# KiCad board nyx.kicad_pcb (continued)
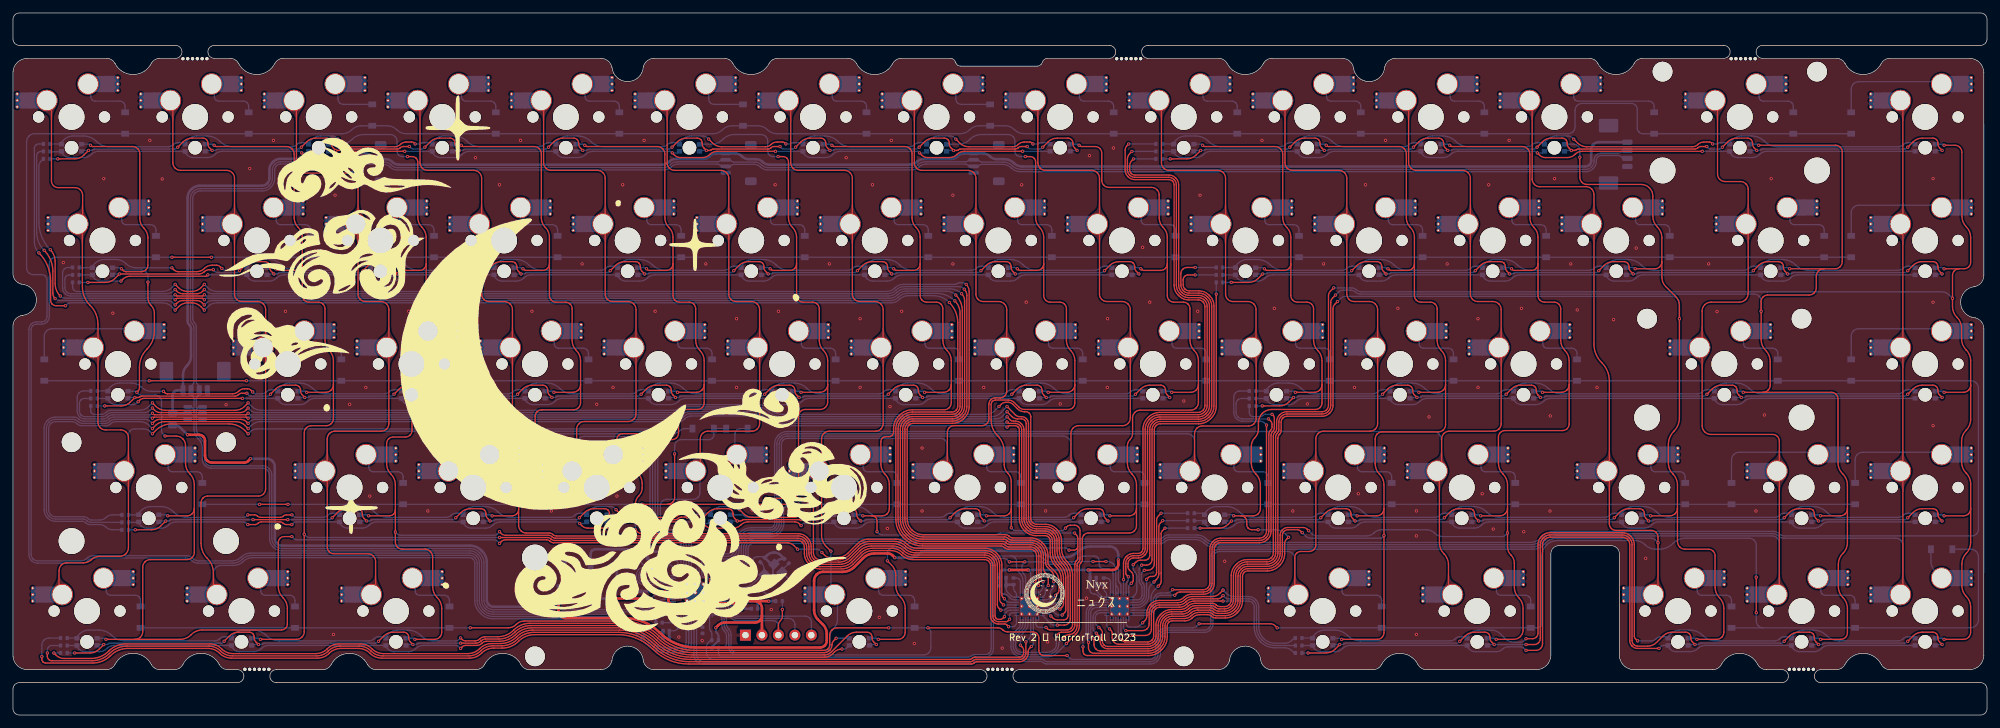
[diagram p0: board, top side]
## Routing (per net, layer and track width the routed paths; a pad name or vN(x,y) marks a point on that pad's centre or on a via; arc(x,y) is an arc through that point) (continued)
Row1: length 441.8
  Top w0.2: v1(30.6,70.6) v1(24.5,70.6)
  Bottom w0.2: v1(30.6,70.6) D17.1 D18.1 D19.1 D20.1 D21.1 D22.1 D23.1 D24.1 D25.1 D26.1 D27.1 D28.1 D29.1 D30.1 ; U3.39 103.78,11.22 arc(103.72,10.88) 103.52,10.58 103.51,10.58 arc(103.22,10.38) 102.88,10.31 101.1,10.31 arc(99.4,10.65) 97.95,11.62 95.32,14.24 arc(93.88,15.21) 92.18,15.55 74.01,15.55 arc(73.26,15.7) 72.63,16.12 72.47,16.28 arc(72.05,16.91) 71.9,17.66 71.9,23.47 arc(71.79,24.03) 71.47,24.5 71.42,24.55 arc(70.95,24.86) 70.4,24.97 36.63,24.97 arc(35.86,24.82) 35.21,24.39 35.19,24.36 arc(34.54,23.92) 33.77,23.77 28.66,23.77 arc(28.14,23.88) 27.7,24.17 27.7,24.18 arc(27.26,24.47) 26.74,24.57 12.36,24.57 arc(11.84,24.47) 11.4,24.18 11.4,24.17 arc(10.96,23.88) 10.44,23.77 3.81,23.77 arc(3.43,23.85) 3.11,24.07 3.09,24.08 arc(2.88,24.4) 2.8,24.79 2.8,59.45 arc(2.86,59.75) 3.03,60.01 3.06,60.04 arc(3.32,60.21) 3.63,60.27 4.42,60.27 arc(4.86,60.36) 5.23,60.61 5.26,60.64 arc(5.51,61.01) 5.6,61.45 5.6,69.54 arc(5.68,69.94) 5.91,70.28 5.92,70.29 arc(6.26,70.52) 6.66,70.6 D16.1 v1(24.5,70.6)
Row2: length 521
  Top w0.2: v1(21,51.55) v1(36,51.55)
  Bottom w0.2: v1(36,51.55) D32.1 D33.1 D34.1 D35.1 D36.1 D37.1 D38.1 D39.1 D40.1 D41.1 D42.1 D43.1 D44.1 301.87,51.55 arc(302.29,51.47) 302.64,51.23 302.68,51.19 arc(302.92,50.84) 303,50.42 303,28.64 arc(302.92,28.25) 302.71,27.93 302.69,27.91 arc(302.37,27.7) 301.99,27.62 273.12,27.62 arc(272.68,27.71) 272.3,27.96 272.28,27.98 arc(271.9,28.23) 271.46,28.32 237.53,28.32 arc(236.63,28.14) 235.87,27.63 235.54,27.31 arc(234.78,26.8) 233.88,26.62 185.31,26.62 arc(184.56,26.77) 183.93,27.19 183.92,27.2 arc(183.29,27.62) 182.54,27.77 178.09,27.77 arc(177.69,27.69) 177.35,27.46 177.34,27.45 arc(177,27.22) 176.6,27.14 114,27.14 arc(113.51,27.04) 113.08,26.76 113.01,26.69 arc(112.73,26.27) 112.63,25.77 112.63,24.02 arc(112.55,23.64) 112.34,23.31 112.29,23.27 arc(111.96,23.05) 111.58,22.97 110.91,22.97 arc(110.49,22.89) 110.14,22.65 110.06,22.57 arc(109.82,22.21) 109.73,21.79 109.73,21.52 arc(109.7,21.36) 109.62,21.23 109.59,21.2 arc(109.46,21.12) 109.3,21.08 U3.16 ; v1(21,51.55) D31.1
Row3: length 295
  Top w0.2: v1(38,32.5) v1(42.4,32.5) ; v1(102,40.27) 102,33.56 arc(101.92,33.16) 101.69,32.81 101.69,32.81 arc(101.34,32.58) 100.94,32.5 ; v1(96.98,32.5) 100.94,32.5 ; 100.94,32.5 v1(121.1,32.5)
  Bottom w0.2: D58.1 D57.1 D56.1 D55.1 D54.1 D53.1 D52.1 D51.1 D50.1 v1(121.1,32.5) 119.84,32.5 arc(119.46,32.42) 119.13,32.21 119.11,32.18 arc(118.89,31.85) 118.81,31.47 118.81,29.49 arc(118.67,28.79) 118.27,28.19 118.12,28.04 arc(117.52,27.63) 116.81,27.49 113.98,27.49 arc(113.37,27.37) 112.85,27.02 112.75,26.92 arc(112.4,26.4) 112.28,25.79 112.28,24.04 arc(112.23,23.77) 112.07,23.55 112.06,23.53 arc(111.83,23.38) 111.56,23.32 109.34,23.32 arc(109.07,23.27) 108.85,23.12 108.83,23.1 arc(108.68,22.87) 108.62,22.6 U3.15 ; D45.1 v1(38,32.5) ; D49.1 D48.1 108.05,43.23 arc(107.99,42.95) 107.83,42.7 107.82,42.69 arc(107.58,42.53) 107.29,42.47 103.01,42.47 arc(102.63,42.4) 102.31,42.18 102.29,42.17 arc(102.08,41.84) 102,41.46 v1(102,40.27) ; v1(96.98,32.5) D47.1 D46.1 v1(42.4,32.5)
Row4: length 383.2
  Top w0.2: v1(141.05,13.45) 151.84,13.45 arc(152.24,13.37) 152.58,13.14 152.59,13.13 arc(152.93,12.9) 153.33,12.82 157.23,12.82 arc(157.57,12.75) 157.86,12.56 157.89,12.54 arc(158.08,12.24) 158.15,11.9 158.15,9.93 arc(158.21,9.65) 158.37,9.4 158.38,9.39 arc(158.62,9.23) 158.91,9.17 v1(162.5,9.17) ; v1(268.75,21.27) v1(268.75,15.77) ; v1(182.85,14.07) 193.87,14.07 arc(194.25,14) 194.57,13.78 v1(194.9,13.45) ; v1(70.5,13.45) 76.33,13.45 arc(77,13.58) 77.56,13.96 77.59,13.99 arc(78.15,14.37) 78.82,14.5 94.08,14.5 arc(97.03,13.91) 99.53,12.24 99.55,12.22 arc(102.05,10.56) 104.99,9.97 125.05,9.97 arc(125.38,10.03) 125.65,10.22 arc(125.84,10.49) 125.9,10.82 125.9,12.3 arc(125.99,12.74) 126.24,13.11 126.24,13.11 arc(126.61,13.36) 127.05,13.45 v1(135,13.45)
  Bottom w0.2: 269.81,13.45 D65.1 ; 269.81,13.45 D66.1 301.78,13.45 arc(302.23,13.54) 302.62,13.8 302.65,13.83 arc(302.91,14.22) 303,14.67 303,24.4 arc(302.91,24.84) 302.66,25.21 302.64,25.24 arc(302.26,25.48) 301.82,25.57 298.98,25.57 ; 269.81,13.45 arc(269.41,13.53) 269.06,13.76 269.06,13.76 arc(268.83,14.11) 268.75,14.51 v1(268.75,15.77) ; U3.28 109.09,16.28 arc(109.28,16.25) 109.45,16.13 arc(109.59,15.93) 109.63,15.69 109.63,13.98 arc(109.73,13.52) 109.99,13.13 110,13.12 arc(110.26,12.73) 110.35,12.27 110.35,10.52 arc(110.44,10.07) 110.7,9.68 110.75,9.62 arc(111.14,9.36) 111.6,9.27 140.39,9.27 arc(140.82,9.36) 141.17,9.6 141.18,9.6 arc(141.42,9.96) 141.5,10.38 141.5,12.79 arc(141.46,12.98) 141.35,13.15 v1(141.05,13.45) D62.1 v1(135,13.45) ; D59.1 D60.1 D61.1 v1(70.5,13.45) ; v1(268.75,21.27) 268.75,26.17 arc(268.67,26.59) 268.43,26.94 268.42,26.95 arc(268.07,27.19) 267.64,27.27 257.9,27.27 arc(256.79,27.05) 255.85,26.42 arc(254.91,25.79) 253.8,25.57 253.25,25.57 arc(252.37,25.75) 251.63,26.25 251.62,26.25 arc(250.88,26.75) 250,26.92 238.13,26.92 arc(237.21,26.74) 236.43,26.22 236.4,26.19 arc(235.88,25.41) 235.7,24.5 235.7,14.16 arc(235.65,13.89) 235.49,13.67 235.48,13.66 arc(235.26,13.5) 234.99,13.45 D64.1 D63.1 211,13.45 v1(194.9,13.45) ; v1(162.5,9.17) 162.88,8.79 arc(163.12,8.63) 163.41,8.57 175.28,8.57 arc(175.62,8.64) 175.91,8.83 175.94,8.86 arc(176.13,9.15) 176.2,9.49 176.2,11.76 arc(176.32,12.38) 176.67,12.9 176.75,12.98 arc(177.27,13.33) 177.89,13.45 181.81,13.45 arc(182.2,13.53) 182.52,13.74 v1(182.85,14.07)
SCL: length 96.4
  Top w0.2: v1(153.6,23.62) v1(156,23.62) ; v1(168.5,23.67) v1(166.5,23.67)
  Bottom w0.2: U3.30 107.38,13.37 arc(107.43,13.14) 107.56,12.94 107.56,12.94 arc(107.69,12.74) 107.74,12.51 R6.2 107.58,11.55 107.19,11.17 arc(106.98,10.84) 106.9,10.46 106.9,9.59 arc(106.98,9.2) 107.19,8.88 107.21,8.86 arc(107.53,8.65) 107.92,8.57 147.44,8.57 arc(147.69,8.62) 147.9,8.76 147.92,8.78 arc(148.13,8.92) 148.38,8.97 149.9,8.97 arc(150.36,9.06) 150.75,9.32 150.8,9.37 arc(151.06,9.76) 151.15,10.22 151.15,23.42 arc(151.21,23.7) 151.37,23.95 151.38,23.95 arc(151.62,24.12) 151.91,24.17 152.74,24.17 arc(153.03,24.12) 153.27,23.95 v1(153.6,23.62) ; U2.27 156.1,21.1 arc(156.03,21.44) 155.84,21.74 155.81,21.76 arc(155.62,22.05) 155.55,22.4 155.55,22.97 arc(155.59,23.16) 155.7,23.32 v1(156,23.62) 158.63,23.62 arc(158.84,23.58) 159.02,23.46 159.04,23.43 arc(159.22,23.31) 159.43,23.27 163.68,23.27 arc(163.92,23.32) 164.13,23.46 164.15,23.48 arc(164.36,23.62) 164.61,23.67 v1(166.5,23.67) ; 170,20.29 U4.27 U4.28 170.4,19.35 arc(170.35,19.6) 170.21,19.81 170.19,19.83 arc(170.05,20.04) 170,20.29 ; 170,20.29 170,22.4 arc(169.9,22.88) 169.63,23.29 169.62,23.31 arc(169.21,23.58) 168.73,23.67 v1(168.5,23.67)
SDA: length 95.7
  Bottom w0.2: U2.26 155.7,20.67 arc(155.57,21.32) 155.2,21.87 155.2,21.87 arc(154.83,22.43) 154.7,23.08 154.7,23.67 arc(154.64,24) 154.45,24.27 154.45,24.27 arc(154.17,24.46) 153.85,24.52 ; 153.85,24.52 151.88,24.52 arc(151.48,24.44) 151.14,24.21 151.11,24.18 arc(150.88,23.84) 150.8,23.44 150.8,10.24 arc(150.73,9.89) 150.54,9.6 150.52,9.58 arc(150.23,9.39) 149.88,9.32 148.23,9.32 arc(147.99,9.27) 147.78,9.13 147.76,9.11 arc(147.55,8.97) 147.3,8.92 109.42,8.92 arc(109.17,8.97) 108.96,9.11 108.95,9.12 arc(108.81,9.33) 108.76,9.58 R7.2 109.35,10.39 arc(109.6,10.44) 109.81,10.58 arc(109.95,10.79) 110,11.04 110,12.12 arc(109.91,12.58) 109.65,12.97 109.64,12.99 arc(109.38,13.37) 109.29,13.83 109.29,14.84 arc(109.24,15.08) 109.11,15.28 arc(108.92,15.4) 108.7,15.45 U3.29 ; 153.85,24.52 157.83,24.52 arc(158.4,24.41) 158.89,24.08 158.91,24.06 arc(159.4,23.74) 159.97,23.62 163.18,23.62 arc(163.75,23.74) 164.24,24.06 164.26,24.08 arc(164.75,24.41) 165.32,24.52 166.69,24.52 arc(166.98,24.47) 167.22,24.3 167.23,24.29 arc(167.39,24.05) 167.45,23.76 167.45,23.24 arc(167.5,22.99) 167.64,22.78 167.66,22.76 arc(167.87,22.62) 168.12,22.57 168.77,22.57 arc(169.08,22.51) 169.34,22.34 169.37,22.31 arc(169.54,22.05) 169.6,21.75 U4.26
SW1_1: length 283.6
  Top w0.2: v1(20.8,66.77) 20.8,64.38 arc(20.93,63.73) 21.3,63.17 21.3,63.17 arc(21.67,62.62) 21.8,61.97 21.8,59.19 arc(21.5,57.7) 20.66,56.43 20.64,56.41 arc(19.79,55.15) 19.5,53.65 19.5,50.47 arc(19.44,50.2) 19.29,49.97 v1(19.09,49.77) ; v1(23.45,43.02) 25.17,43.02 arc(25.71,42.92) 26.16,42.61 26.19,42.58 arc(26.49,42.13) 26.6,41.59 26.6,38.83 arc(26.78,37.94) 27.27,37.2 27.28,37.2 arc(27.77,36.45) 27.95,35.57 27.95,31.83 ; 18.82,11.67 25.74,11.67 arc(26.67,11.86) 27.47,12.39 27.48,12.4 arc(28.28,12.94) 29.22,13.12 41.38,13.12 arc(41.72,13.19) 42.01,13.39 42.04,13.41 arc(42.23,13.7) 42.3,14.05 42.3,16.45 arc(42.12,17.35) 41.61,18.11 41.59,18.13 arc(41.08,18.9) 40.9,19.8 40.9,26.6 arc(40.97,26.94) 41.16,27.24 41.19,27.26 arc(41.48,27.45) 41.82,27.52 v1(43,27.52) ; 18.82,11.67 v1(14.33,11.67) ; 18.82,11.67 arc(19.26,11.76) 19.64,12.01 19.66,12.04 arc(19.91,12.41) 20,12.85 20,22.8 arc(20.09,23.24) 20.34,23.61 20.36,23.64 arc(20.74,23.88) 21.18,23.97 26.84,23.97 arc(27.27,24.06) 27.62,24.29 27.63,24.3 arc(27.87,24.66) 27.95,25.08 27.95,31.83 ; v1(75,26.47) 75.26,26.73 arc(75.58,26.95) 75.97,27.02 82.26,27.02 arc(82.54,26.97) 82.79,26.8 82.8,26.79 arc(83.04,26.63) 83.33,26.57 119.33,26.57 arc(119.9,26.46) 120.39,26.13 v1(120.95,25.57) ; 27.95,31.83 arc(27.87,31.41) 27.63,31.05 27.62,31.04 arc(27.27,30.81) 26.84,30.72 v1(23.86,30.72) ; v1(16.71,68.82) 16.96,68.58 arc(17.19,68.43) 17.45,68.37 19.79,68.37 arc(20.17,68.45) 20.49,68.66 20.51,68.68 arc(20.72,69) 20.8,69.39 20.8,73.6 arc(20.64,74.41) 20.18,75.09 20.17,75.11 arc(19.71,75.79) 19.55,76.59 19.55,86.57 arc(19.47,86.99) 19.23,87.34 19.22,87.35 arc(18.87,87.59) 18.44,87.67 12.29,87.67 arc(12.16,87.7) 12.05,87.77 v1(11.95,87.87) ; v1(152.85,17.92) 152.6,18.18 arc(152.49,18.34) 152.45,18.53 152.45,23.15 arc(152.27,24.07) 151.75,24.85 151.58,25.02 arc(150.8,25.54) 149.88,25.72 139.41,25.72 arc(138.51,25.9) 137.75,26.41 137.72,26.43 arc(136.96,26.94) 136.06,27.12 131.91,27.12 arc(130.96,26.93) 130.15,26.39 128.77,25.02 arc(127.96,24.47) 127,24.28 126.01,24.28 arc(125.53,24.38) 125.12,24.65 v1(124.7,25.07)
  Bottom w0.2: v1(152.85,17.92) 153.18,17.59 arc(153.42,17.43) 153.71,17.37 U2.22 ; LED1.1 11.68,88.04 arc(11.78,88.02) 11.86,87.96 v1(11.95,87.87) ; v1(23.45,43.02) 23.12,43.35 arc(22.96,43.6) 22.9,43.88 22.9,48.36 arc(22.82,48.74) 22.61,49.07 22.59,49.08 arc(22.27,49.3) 21.89,49.37 19.7,49.37 arc(19.51,49.41) 19.35,49.52 v1(19.09,49.77) 19,49.86 arc(18.92,49.92) 18.83,49.94 LED31.1 ; v1(43,27.52) 43.28,27.24 arc(43.52,27.08) 43.81,27.02 74.14,27.02 arc(74.42,26.97) 74.67,26.8 v1(75,26.47) ; LED45.1 23.59,30.89 arc(23.68,30.87) 23.76,30.81 v1(23.86,30.72) ; v1(120.95,25.57) 123.99,25.57 arc(124.18,25.53) 124.35,25.43 v1(124.7,25.07) ; v1(14.33,11.67) 14.24,11.76 arc(14.16,11.82) 14.06,11.84 LED59.1 ; v1(20.8,66.77) 20.8,67.61 arc(20.72,67.99) 20.51,68.32 20.49,68.33 arc(20.17,68.55) 19.79,68.62 17.06,68.62 arc(16.92,68.65) 16.81,68.73 v1(16.71,68.82) 16.62,68.91 arc(16.54,68.97) 16.44,68.99 LED16.1
SW1_2: length 165
  Top w0.2: v1(196.65,27.42) 196.34,27.11 arc(196.12,26.79) 196.05,26.4 196.05,24.88 arc(195.86,23.93) 195.31,23.11 195.16,22.96 arc(194.35,22.42) 193.39,22.22 190.37,22.22 arc(190.07,22.16) 189.81,21.99 189.78,21.97 arc(189.61,21.71) 189.55,21.4 189.55,17.62 arc(189.36,16.66) 188.82,15.85 188.67,15.71 arc(187.86,15.17) 186.91,14.97 185.38,14.97 arc(185.05,15.04) 184.78,15.22 184.77,15.23 arc(184.5,15.41) 184.17,15.48 182.97,15.48 arc(182.35,15.36) 181.84,15.01 181.82,15 arc(181.3,14.65) 180.69,14.53 178.71,14.53 arc(178.43,14.47) 178.18,14.31 178.17,14.29 arc(178,14.04) 177.95,13.76 177.95,12.06 arc(177.74,11.03) 177.15,10.16 176.96,9.97 arc(176.09,9.38) 175.06,9.17 165.62,9.17 arc(165.37,9.22) 165.16,9.37 165.14,9.38 arc(165,9.59) 164.95,9.84 v1(164.95,10.52) ; 189.32,30.72 v1(188.16,30.72) ; 189.32,30.72 191.19,30.72 arc(191.62,30.81) 191.97,31.04 191.98,31.05 arc(192.22,31.41) 192.3,31.83 192.3,35.5 arc(192.12,36.4) 191.61,37.16 191.59,37.18 arc(191.08,37.95) 190.9,38.85 190.9,41.46 arc(191.04,42.16) 191.44,42.76 191.46,42.78 arc(191.86,43.38) 192,44.09 192,45.09 arc(192.15,45.86) 192.59,46.51 192.61,46.54 arc(193.26,46.97) 194.03,47.12 200.79,47.12 arc(201.17,47.2) 201.49,47.42 201.51,47.43 arc(201.72,47.75) 201.8,48.14 201.8,50.95 ; 189.32,30.72 arc(189.65,30.66) 189.92,30.47 189.95,30.45 arc(190.14,30.17) 190.2,29.85 190.2,29.38 arc(190.26,29.07) 190.43,28.81 190.44,28.81 arc(190.7,28.63) 191.01,28.57 v1(191.95,28.57) ; v1(192.93,68.82) 193.07,68.67 arc(193.19,68.6) 193.32,68.57 195.99,68.57 arc(196.37,68.65) 196.69,68.87 196.71,68.88 arc(196.92,69.2) 197,69.59 ; v1(197.69,49.77) 200.62,49.77 arc(201.06,49.86) 201.44,50.11 201.46,50.14 arc(201.71,50.51) 201.8,50.95 ; 197,69.59 197,64.69 arc(197.08,64.3) 197.29,63.98 197.31,63.97 arc(197.63,63.75) 198.01,63.67 199.49,63.67 arc(199.87,63.6) 200.19,63.38 200.21,63.37 arc(200.42,63.04) 200.5,62.66 200.5,57.78 arc(200.67,56.94) 201.14,56.23 201.16,56.22 arc(201.63,55.5) 201.8,54.66 201.8,50.95 ; 197,69.59 197,73.7 arc(196.84,74.51) 196.38,75.19 196.37,75.21 arc(195.91,75.89) 195.75,76.69 195.75,86.5 arc(195.66,86.94) 195.41,87.31 195.39,87.34 arc(195.01,87.58) 194.57,87.67 183.74,87.67 arc(183.61,87.7) 183.5,87.77 v1(183.4,87.87)
  Bottom w0.2: v1(183.4,87.87) 183.31,87.96 arc(183.23,88.02) 183.13,88.04 LED10.1 ; v1(191.95,28.57) 194.67,28.57 arc(195.44,28.42) 196.09,27.99 v1(196.65,27.42) ; LED25.1 192.66,68.99 arc(192.75,68.97) 192.83,68.91 v1(192.93,68.82) ; LED53.1 187.89,30.89 arc(187.99,30.87) 188.07,30.81 v1(188.16,30.72) ; v1(197.69,49.77) 197.6,49.86 arc(197.51,49.92) 197.42,49.94 LED40.1 ; U4.22 167.06,17.37 arc(166.51,17.26) 166.04,16.95 165.88,16.79 arc(165.56,16.32) 165.45,15.76 165.45,12.72 arc(165.39,12.4) 165.2,12.12 165.2,12.12 arc(165.01,11.85) 164.95,11.52 v1(164.95,10.52)
SW2_1: length 152.3
  Top w0.2: 119.99,33.42 v1(116.05,33.42) ; 119.99,33.42 122.39,33.42 arc(122.77,33.35) 123.09,33.13 123.11,33.12 arc(123.32,32.79) 123.4,32.41 123.4,26.91 123.4,25.01 arc(123.48,24.61) 123.71,24.27 123.73,24.24 arc(124.07,24.01) 124.47,23.93 127.15,23.93 arc(128.11,24.12) 128.92,24.67 130.29,26.04 arc(131.1,26.58) 132.06,26.77 135.92,26.77 arc(136.82,26.59) 137.58,26.08 137.6,26.06 arc(138.37,25.55) 139.27,25.37 149.86,25.37 arc(150.66,25.21) 151.34,24.76 151.48,24.61 arc(151.94,23.93) 152.1,23.13 152.1,17.88 arc(152.16,17.6) 152.32,17.35 v1(152.7,16.97) ; 119.99,33.42 arc(120.42,33.51) 120.77,33.74 120.78,33.75 arc(121.02,34.11) 121.1,34.53 121.1,46.11 arc(121.18,46.49) 121.39,46.82 121.41,46.83 arc(121.73,47.05) 122.11,47.12 124.42,47.12 arc(124.86,47.21) 125.24,47.46 125.26,47.49 arc(125.51,47.86) 125.6,48.3 125.6,50.95 ; 120.8,69.59 120.8,64.69 arc(120.88,64.3) 121.09,63.98 121.11,63.97 arc(121.43,63.75) 121.81,63.67 123.29,63.67 arc(123.67,63.6) 123.99,63.38 124.01,63.37 arc(124.22,63.04) 124.3,62.66 124.3,57.78 arc(124.47,56.94) 124.94,56.23 124.96,56.22 arc(125.43,55.5) 125.6,54.66 125.6,50.95 ; 120.8,69.59 120.8,73.7 arc(120.64,74.51) 120.18,75.19 120.17,75.21 arc(119.71,75.89) 119.55,76.69 119.55,85.29 arc(119.49,85.6) 119.32,85.86 119.28,85.89 arc(119.02,86.06) 118.72,86.12 v1(117.95,86.12) ; 120.8,69.59 arc(120.72,69.2) 120.51,68.88 120.49,68.87 arc(120.17,68.65) 119.79,68.57 117.12,68.57 arc(116.99,68.6) 116.87,68.67 v1(116.73,68.82) ; v1(121.49,49.77) 124.42,49.77 arc(124.86,49.86) 125.24,50.11 125.26,50.14 arc(125.51,50.51) 125.6,50.95
  Bottom w0.2: v1(116.05,33.42) 115.77,33.14 arc(115.61,32.9) 115.55,32.61 115.55,31.37 arc(115.49,31.05) 115.3,30.77 115.3,30.77 arc(115.02,30.59) 114.7,30.52 113.2,30.52 arc(112.97,30.57) 112.77,30.7 112.76,30.71 arc(112.57,30.84) 112.34,30.89 LED49.1 ; LED6.1 107.65,88.04 arc(108.61,88.23) 109.42,88.77 109.44,88.79 arc(110.25,89.33) 111.21,89.52 115.34,89.52 arc(115.72,89.45) 116.04,89.23 116.06,89.22 arc(116.27,88.89) 116.35,88.51 116.35,86.97 arc(116.41,86.65) 116.6,86.37 116.6,86.37 arc(116.88,86.19) 117.2,86.12 v1(117.95,86.12) ; U2.21 v1(152.7,16.97) ; v1(121.49,49.77) 121.4,49.86 arc(121.31,49.92) 121.22,49.94 LED36.1 ; LED21.1 116.46,68.99 arc(116.55,68.97) 116.63,68.91 v1(116.73,68.82)
SW2_2: length 199
  Top w0.2: 211.35,31.83 v1(211.35,27.67) 211.35,12.69 arc(211.27,12.3) 211.06,11.98 211.04,11.97 arc(210.72,11.75) 210.34,11.67 v1(204.83,11.67) ; 211.35,31.83 211.35,35.52 arc(211.17,36.4) 210.68,37.15 210.67,37.15 arc(210.18,37.89) 210,38.78 210,42.57 arc(210.08,42.99) 210.32,43.34 210.33,43.35 arc(210.68,43.59) 211.11,43.67 219.74,43.67 arc(220.17,43.76) 220.52,43.99 220.53,44 arc(220.77,44.36) 220.85,44.78 220.85,50.95 ; 211.35,31.83 arc(211.27,31.41) 211.03,31.05 211.02,31.04 arc(210.67,30.81) 210.24,30.72 v1(207.21,30.72) ; 220.85,50.95 220.85,54.66 arc(220.68,55.5) 220.21,56.22 220.19,56.23 arc(219.72,56.94) 219.55,57.78 219.55,62.66 arc(219.47,63.04) 219.26,63.37 219.24,63.38 arc(218.92,63.6) 218.54,63.67 217.06,63.67 arc(216.68,63.75) 216.36,63.97 216.34,63.98 arc(216.13,64.3) 216.05,64.69 216.05,69.59 ; 220.85,50.95 arc(220.76,50.51) 220.51,50.14 220.49,50.11 arc(220.11,49.86) 219.67,49.77 v1(216.74,49.77) ; v1(211.98,68.82) 212.12,68.67 arc(212.24,68.6) 212.37,68.57 215.04,68.57 arc(215.42,68.65) 215.74,68.87 215.76,68.88 arc(215.97,69.2) 216.05,69.59 ; 216.05,69.59 216.05,73.7 arc(215.89,74.51) 215.43,75.19 215.42,75.21 arc(214.96,75.89) 214.8,76.69 214.8,86.57 arc(214.72,86.99) 214.48,87.34 214.47,87.35 arc(214.12,87.59) 213.69,87.67 202.79,87.67 arc(202.66,87.7) 202.55,87.77 v1(202.45,87.87) ; v1(165.8,11.22) 165.8,10.37 arc(165.86,10.05) 166.05,9.77 166.05,9.77 arc(166.32,9.59) 166.65,9.52 175.03,9.52 arc(175.95,9.71) 176.73,10.23 176.89,10.39 arc(177.41,11.17) 177.6,12.09 177.6,13.78 arc(177.68,14.18) 177.9,14.52 177.95,14.57 arc(178.29,14.8) 178.69,14.88 180.55,14.88 arc(181.16,15) 181.68,15.34 181.69,15.36 arc(182.21,15.71) 182.82,15.83 184.32,15.83 arc(184.64,15.76) 184.92,15.58 184.92,15.57 arc(185.2,15.39) 185.52,15.32 186.88,15.32 arc(187.73,15.49) 188.44,15.97 188.56,16.08 arc(189.03,16.8) 189.2,17.64 189.2,21.42 arc(189.28,21.84) 189.52,22.2 189.57,22.25 arc(189.93,22.49) 190.35,22.57 193.37,22.57 arc(194.21,22.74) 194.92,23.22 195.05,23.35 arc(195.53,24.06) 195.7,24.9 195.7,27.72 arc(195.76,28.04) 195.95,28.32 195.95,28.32 arc(196.23,28.51) 196.55,28.57 198.09,28.57 arc(198.28,28.53) 198.45,28.43 v1(198.75,28.12)
  Bottom w0.2: v1(211.98,68.82) 211.88,68.91 arc(211.8,68.97) 211.71,68.99 LED26.1 ; LED11.1 202.18,88.04 arc(202.28,88.02) 202.36,87.96 v1(202.45,87.87) ; v1(204.83,11.67) 204.74,11.76 arc(204.66,11.82) 204.56,11.84 LED63.1 ; v1(216.74,49.77) 216.65,49.86 arc(216.56,49.92) 216.47,49.94 LED41.1 ; v1(165.8,11.22) 165.8,15.74 arc(165.89,16.18) 166.14,16.55 166.22,16.64 arc(166.59,16.88) 167.03,16.97 U4.21 ; LED54.1 206.94,30.89 arc(207.04,30.87) 207.12,30.81 v1(207.21,30.72) ; v1(211.35,27.67) 211.02,27.35 arc(210.94,27.29) 210.85,27.27 200.01,27.27 arc(199.63,27.35) 199.31,27.57 v1(198.75,28.12)
SW3_1: length 173.7
  Top w0.2: v1(102.44,49.77) 105.37,49.77 arc(105.81,49.86) 106.19,50.11 106.21,50.14 arc(106.46,50.51) 106.55,50.95 ; v1(88.15,87.87) 88.25,87.77 arc(88.36,87.7) 88.49,87.67 99.32,87.67 arc(99.76,87.58) 100.14,87.34 100.16,87.31 arc(100.41,86.94) 100.5,86.5 100.5,76.69 arc(100.66,75.89) 101.12,75.21 101.13,75.19 arc(101.59,74.51) 101.75,73.7 101.75,69.59 ; v1(95.95,28.57) 96.26,28.26 arc(96.58,28.05) 96.97,27.97 121.05,27.97 arc(121.78,27.83) 122.4,27.41 122.49,27.32 arc(122.9,26.7) 123.05,25.98 123.05,24.99 arc(123.15,24.47) 123.44,24.03 123.5,23.98 arc(123.94,23.69) 124.45,23.58 127.29,23.58 arc(128.25,23.77) 129.06,24.32 130.44,25.69 arc(131.25,26.23) 132.2,26.42 135.77,26.42 arc(136.67,26.24) 137.43,25.73 137.46,25.71 arc(138.22,25.2) 139.12,25.02 149.84,25.02 arc(150.53,24.88) 151.11,24.49 151.22,24.38 arc(151.61,23.8) 151.75,23.11 151.75,17.03 arc(151.81,16.75) 151.97,16.5 v1(152.3,16.17) ; 106.55,50.95 106.55,54.66 arc(106.38,55.5) 105.91,56.22 105.89,56.23 arc(105.42,56.94) 105.25,57.78 105.25,62.66 arc(105.17,63.04) 104.96,63.37 104.94,63.38 arc(104.62,63.6) 104.24,63.67 102.76,63.67 arc(102.38,63.75) 102.06,63.97 102.04,63.98 arc(101.83,64.3) 101.75,64.69 101.75,69.59 ; 106.55,50.95 106.55,48.14 arc(106.47,47.75) 106.26,47.43 106.24,47.42 arc(105.92,47.2) 105.54,47.12 103.71,47.12 arc(103.28,47.04) 102.93,46.8 102.92,46.79 arc(102.68,46.44) 102.6,46.02 102.6,43.49 arc(102.52,43.1) 102.31,42.78 102.29,42.77 arc(101.97,42.55) 101.59,42.47 96.71,42.47 arc(96.33,42.4) 96.01,42.18 95.99,42.17 arc(95.78,41.84) 95.7,41.46 95.7,38.83 arc(95.87,37.99) 96.34,37.28 96.36,37.27 arc(96.83,36.55) 97,35.71 97,35.05 arc(96.87,34.38) 96.49,33.81 96.46,33.78 arc(96.08,33.22) 95.95,32.55 v1(95.95,31.5) ; 101.75,69.59 arc(101.67,69.2) 101.46,68.88 101.44,68.87 arc(101.12,68.65) 100.74,68.57 98.07,68.57 arc(97.94,68.6) 97.82,68.67 v1(97.68,68.82)
  Bottom w0.2: v1(95.95,28.57) 95.95,29.93 ; 95.95,29.93 v1(95.95,31.5) ; 95.95,29.93 arc(95.88,30.29) 95.67,30.6 95.66,30.61 arc(95.35,30.82) 94.99,30.89 LED48.1 ; LED5.1 87.88,88.04 arc(87.98,88.02) 88.06,87.96 v1(88.15,87.87) ; LED20.1 97.41,68.99 arc(97.5,68.97) 97.58,68.91 v1(97.68,68.82) ; v1(152.3,16.17) 152.64,16.17 arc(152.89,16.22) 153.1,16.36 153.12,16.38 arc(153.33,16.52) 153.57,16.57 U2.20 ; LED35.1 102.17,49.94 arc(102.26,49.92) 102.35,49.86 v1(102.44,49.77)
SW3_2: length 215.2
  Top w0.2: v1(228.64,11.67) 231.35,11.67 arc(231.9,11.78) 232.37,12.1 232.38,12.1 arc(232.69,12.57) 232.8,13.12 232.8,16.47 arc(232.62,17.35) 232.13,18.1 232.12,18.1 arc(231.63,18.84) 231.45,19.73 231.45,23.43 arc(231.32,24.1) 230.94,24.67 230.91,24.7 arc(230.53,25.26) 230.4,25.93 v1(230.4,28.07) 230.4,31.9 ; v1(231.03,68.82) 231.17,68.67 arc(231.29,68.6) 231.42,68.57 234.09,68.57 arc(234.47,68.65) 234.79,68.87 234.81,68.88 arc(235.02,69.2) 235.1,69.59 ; 239.9,50.95 239.9,54.66 arc(239.73,55.5) 239.26,56.22 239.24,56.23 arc(238.77,56.94) 238.6,57.78 238.6,62.66 arc(238.52,63.04) 238.31,63.37 238.29,63.38 arc(237.97,63.6) 237.59,63.67 236.11,63.67 arc(235.73,63.75) 235.41,63.97 235.39,63.98 arc(235.18,64.3) 235.1,64.69 235.1,69.59 ; 239.9,50.95 239.9,44.89 arc(239.82,44.5) 239.61,44.18 239.59,44.17 arc(239.27,43.95) 238.89,43.87 230.01,43.87 arc(229.63,43.8) 229.31,43.58 229.29,43.57 arc(229.08,43.24) 229,42.86 229,38.85 arc(229.18,37.95) 229.69,37.18 229.71,37.16 arc(230.22,36.4) 230.4,35.5 230.4,31.9 ; 239.9,50.95 arc(239.81,50.51) 239.56,50.14 239.54,50.11 arc(239.16,49.86) 238.72,49.77 v1(235.79,49.77) ; v1(221.5,87.87) 221.6,87.77 arc(221.71,87.7) 221.84,87.67 232.67,87.67 arc(233.11,87.58) 233.49,87.34 233.51,87.31 arc(233.76,86.94) 233.85,86.5 233.85,76.69 arc(234.01,75.89) 234.47,75.21 234.48,75.19 arc(234.94,74.51) 235.1,73.7 235.1,69.59 ; 230.4,31.9 arc(230.31,31.46) 230.06,31.09 230.04,31.06 arc(229.66,30.81) 229.22,30.72 v1(226.26,30.72) ; v1(199.75,28.42) 199.47,28.7 arc(199.23,28.87) 198.94,28.92 196.53,28.92 arc(196.09,28.83) 195.72,28.59 195.68,28.55 arc(195.43,28.18) 195.35,27.74 195.35,24.92 arc(195.2,24.2) 194.79,23.58 194.69,23.48 arc(194.07,23.07) 193.35,22.92 190.33,22.92 arc(189.8,22.82) 189.34,22.51 189.26,22.43 arc(188.96,21.98) 188.85,21.44 188.85,17.66 arc(188.7,16.93) 188.29,16.31 188.21,16.23 arc(187.59,15.82) 186.86,15.67 185.67,15.67 arc(185.34,15.74) 185.07,15.92 185.06,15.93 arc(184.79,16.11) 184.46,16.18 182.68,16.18 arc(182.06,16.05) 181.55,15.71 181.53,15.69 arc(181.01,15.35) 180.4,15.23 178.67,15.23 arc(178.16,15.12) 177.72,14.83 177.64,14.75 arc(177.35,14.32) 177.25,13.8 177.25,12.11 arc(177.09,11.3) 176.63,10.62 176.5,10.49 arc(175.82,10.03) 175.01,9.87 167.66,9.87 arc(167.28,9.95) 166.96,10.17 166.94,10.18 arc(166.73,10.5) 166.65,10.89 v1(166.65,11.77)